# KiCad board hellen72_NB2.kicad_pcb (continued)
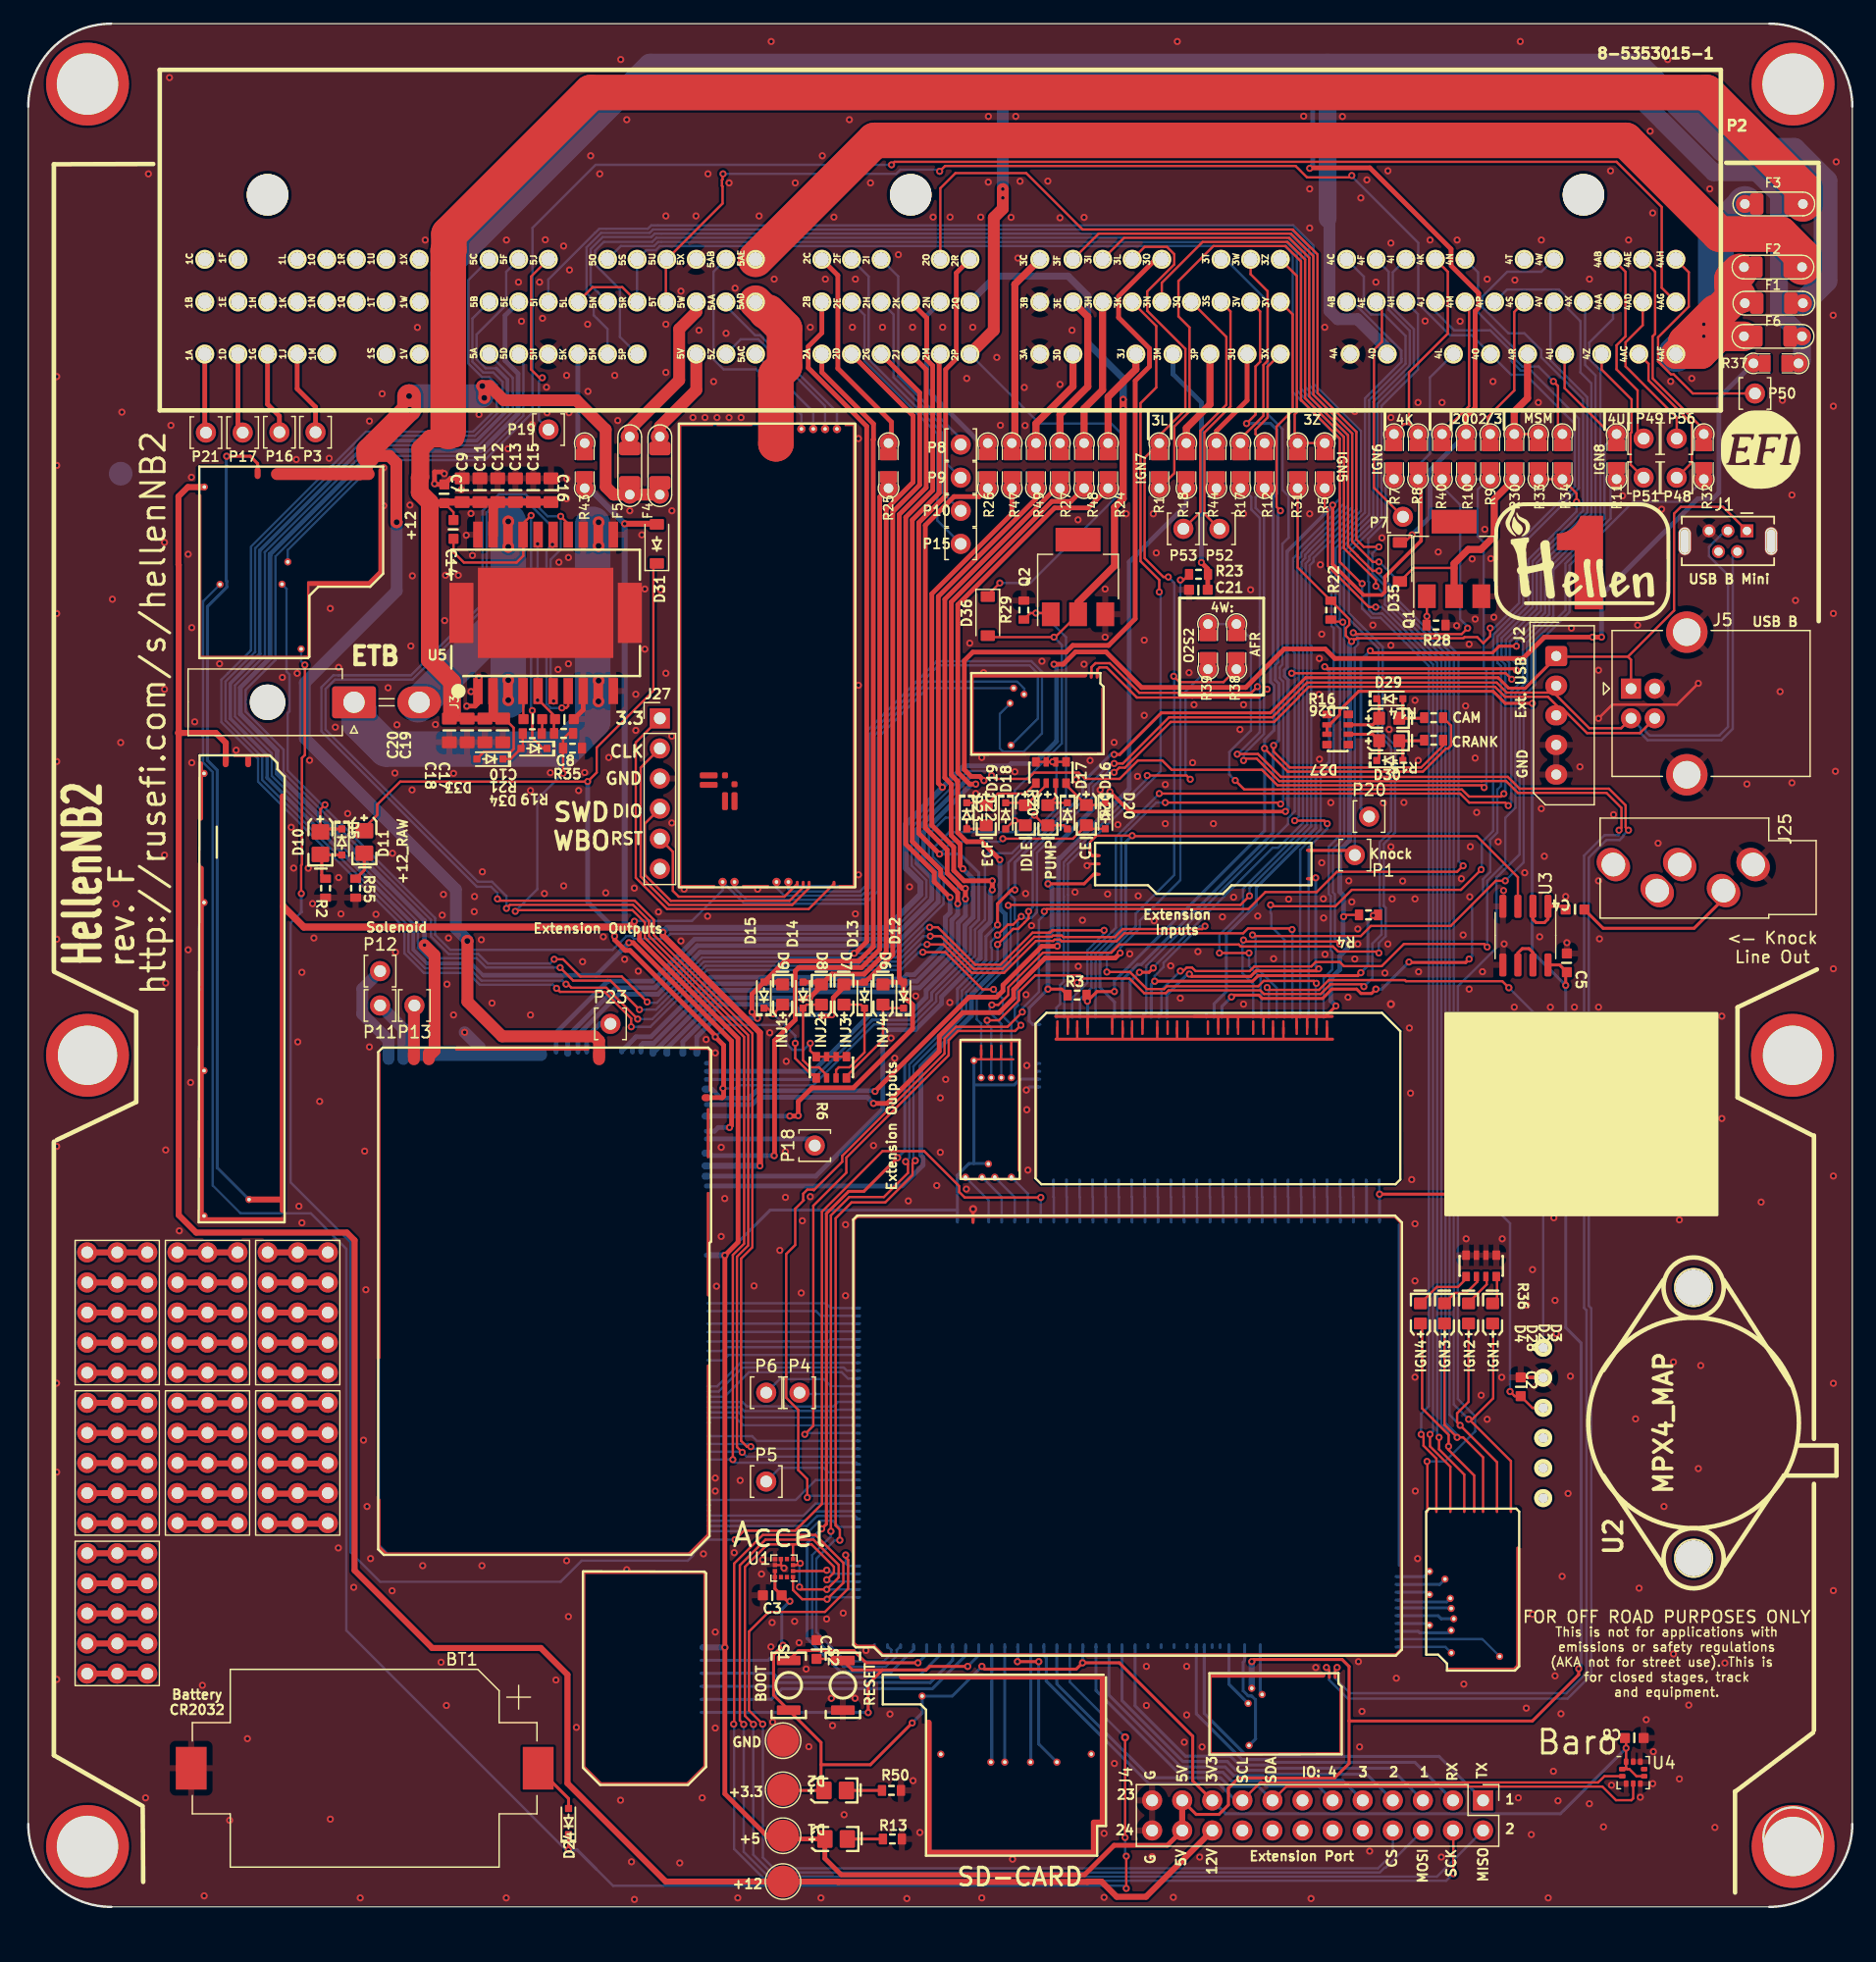
[diagram p0: board, top side]
## Footprints (pads in the part's own frame, mm; a bottom-side part is the same pattern mirrored in y, then rotated) (continued)
  oval 0.8x0.6 smd: W5(0.472,4.335)
  oval 0.4x0.2 smd far side: W15(0.272,21.694) W16(0.272,22.354) W17(0.272,23.414) W18(0.272,24.118) W19(0.272,24.918) W20(0.272,25.718) W21(0.272,26.514) W22(0.272,28.709) W23(0.272,29.149) W24(0.272,29.589) W25(0.272,30.029) W26(0.272,30.469) W27(0.272,30.909) W28(0.272,31.349) W29(0.272,31.789) W30(0.272,32.914) W31(0.272,33.574) W32(0.272,34.234) W33(0.272,34.894) W34(0.272,38.299) W35(0.272,38.739) W36(0.272,39.179) W37(0.272,39.619) W38(0.272,40.059) W39(0.272,40.499) W40(0.272,40.939)
PAD-0805-PAD
  round 1.524 hole 0.813: 1(-1.905,0) 2(1.905,0)
  rrect 1x1.45 smd: 1(-0.95,0) 2(0.95,0)
PAD-1206-PAD
  round 1.524 hole 0.813: 1(-2.45,0) 2(2.45,0)
  rrect 1.15x1.8 smd: 1(-1.45,0) 2(1.45,0)
PAD-TH
  round 1.7 hole 1: 1(0,0)
PinHeader_1x06_P2.54mm_Vertical
  rect 1.7x1.7 hole 1: 1(0,0)
  oval 1.7x1.7 hole 1: 2(0,-2.54) 3(0,-5.08) 4(0,-7.62) 5(0,-10.16) 6(0,-12.7)
PinHeader_2x12_P2.54mm_Vertical
  rect 1.7x1.7 hole 1: 1(0,0)
  oval 1.7x1.7 hole 1: 2(2.54,0) 3(0,-2.54) 4(2.54,-2.54) 5(0,-5.08) 6(2.54,-5.08) 7(0,-7.62) 8(2.54,-7.62) 9(0,-10.16) 10(2.54,-10.16) 11(0,-12.7) 12(2.54,-12.7) 13(0,-15.24) 14(2.54,-15.24) 15(0,-17.78) 16(2.54,-17.78) 17(0,-20.32) 18(2.54,-20.32) 19(0,-22.86) 20(2.54,-22.86) 21(0,-25.4) 22(2.54,-25.4) 23(0,-27.94) 24(2.54,-27.94)
power5
  oval 0.4x7.2 smd: G(0.325,3.719)
  round 0.6 hole 0.3: G(0.637,6.9) G(12.9,6.9) G(27.1,6.9) G(38,6.9) V2(2.025,3.1)
  oval 30x0.4 smd: G(15.2,7.125)
  oval 5x0.4 smd: G(36.513,7.175)
  oval 1x0.5 smd: G(39.02,3.175) V1(39.02,5.075)
  oval 0.2x3.1 smd: G(39.495,2.875)
  oval 0.5x3 smd: V2(2.025,1.717)
  oval 35.4x0.4 smd: V2(18.6,0.3)
power12
  oval 1x0.5 smd: E1(15.725,10.7)
  oval 1x8.745 smd: E2(15.64,5.197)
  oval 0.2x9.2 smd: S1(0.2,10.944)
  oval 0.2x0.5 smd: S1(0.2,6.65)
  oval 6.5x0.2 smd: S1(3.35,6.425)
  oval 0.4x5.4 smd: S1(6.4,3.775)
  oval 0.4x1.6 smd rot 45: S1(6.9,0.775)
  oval 13.8x0.2 smd: S1(7.044,15.55)
  oval 9x0.4 smd: S1(11.65,0.3)
  round 0.6 hole 0.3: V1(14.55,15.2) V2(6.325,13.875) V3(6.343,8.643) V4(8.225,8.15) V5(0.875,7.025)
PROTO_AREA
  round 1.7 hole 1: 1(0,0) 2(2.54,0) 3(5.08,0) 4(7.62,0) 5(10.16,0) 6(0,-2.54) 7(2.54,-2.54) 8(5.08,-2.54) 9(7.62,-2.54) 10(10.16,-2.54) 11(0,-5.08) 12(2.54,-5.08) 13(5.08,-5.08) 14(7.62,-5.08) 15(10.16,-5.08)
R0603
  rrect 0.7x0.92 smd: 1(-0.8,0) 2(0.8,0)
R0603-4
  rrect 0.8x0.65 smd: 1(-0.9,1.275) 4(-0.9,-1.275) 5(0.9,-1.275) 8(0.9,1.275)
  rrect 0.8x0.45 smd: 2(-0.9,0.4) 3(-0.9,-0.4) 6(0.9,-0.4) 7(0.9,0.4)
sd
  oval 0.5x11.4 smd: G(3.975,5.887)
  oval 17.4x0.4 smd: G(10.175,15.175)
  oval 14.45x0.5 smd: G(10.945,0.35)
  oval 0.5x3 smd: G(17.925,1.625)
  oval 1.2x0.5 smd: G(18.275,2.9)
  oval 0.5x12.7 smd: G(18.675,9.012)
  round 0.6 hole 0.3: V1(3.425,13.575) V2(5,8.67) V3(17.704,8.679) V4(9.225,8) V5(10.4,8) V6(12.575,8) V7(14.8,8)
SMD-2_2.9x3.9x1.7
  rrect 0.8x2 smd: 1(-2.1,0) 2(2.1,0)
SO20POWER
  rect 0.8x2.2 smd: 1(-5.715,-6.6) 2(-4.445,-6.6) 3(-3.175,-6.6) 4(-1.905,-6.6) 5(-0.635,-6.6) 6(0.635,-6.6) 7(1.905,-6.6) 8(3.175,-6.6) 9(4.445,-6.6) 10(5.715,-6.6) 11(5.715,6.6) 12(4.445,6.6) 13(3.175,6.6) 14(1.905,6.6) 15(0.635,6.6) 16(-0.635,6.6) 17(-1.905,6.6) 18(-3.175,6.6) 19(-4.445,6.6) 20(-5.715,6.6)
  rect 2.032x5.08 smd: SLUG1(-7.112,0) SLUG3(7.112,0)
  rect 11.43x7.62 smd: SLUG2(0,0)
SOD-123
  rrect 0.9x1.2 smd: 1(-1.65,0) 2(1.65,0)
SOD-323
  rrect 0.6x0.6 smd: 1(-1.1,0) 2(1.1,0)
SOIC-8_3.9x4.9mm_P1.27mm
  rrect 1.95x0.6 smd: 1(-2.475,1.905) 2(-2.475,0.635) 3(-2.475,-0.635) 4(-2.475,-1.905) 5(2.475,-1.905) 6(2.475,-0.635) 7(2.475,0.635) 8(2.475,1.905)
SOT-223
  rect 2x1.5 smd: 1(-3.15,2.3) 2(-3.15,0) 3(-3.15,-2.3)
  rect 2x3.8 smd: 4(3.15,0)
ST_HLGA-10_2.5x2.5mm_P0.6mm_LayoutBorder3x2y
  rrect 0.55x0.4 smd: 1(-0.925,0.3) 2(-0.925,-0.3) 6(0.925,-0.3) 7(0.925,0.3)
  rrect 0.4x0.55 smd: 3(-0.6,-0.925) 4(0,-0.925) 5(0.6,-0.925) 8(0.6,0.925) 9(0,0.925) 10(-0.6,0.925)
stlink
  rrect 0.2x7.49 smd: G(0.225,5.322)
  rrect 0.2x7.49 smd far side: G(0.225,5.322)
  rrect 0.2x0.8 smd far side rot 45: G(0.448,1.452)
  rrect 0.2x2.19 smd rot 135: G(0.935,9.701)
  rrect 0.2x2.19 smd far side rot 135: G(0.935,9.701)
  rrect 0.2x2.24 smd rot 45: G(0.948,0.952)
  rrect 16.55x0.2 smd: G(9.821,10.407)
  rrect 16.55x0.2 smd far side: G(9.821,10.407)
  rrect 16.46x0.2 smd: G(9.854,0.229)
  rrect 0.2x9.37 smd far side: G(18.017,5.812)
  rrect 0.2x10.37 smd: G(18.017,5.312)
  rrect 0.25x0.5 smd far side: N1(11.725,0.4) N2(10.625,0.4) N3(9.525,0.4) N4(8.425,0.4) N5(7.325,0.4) N6(6.225,0.4)
TestPoint_Pad_D2.0mm
  round 2.7 smd: 1(0,0)
TestPoint_Pad_D2.0mm#2
  round 2 smd: 1(0,0)
USB-MINI-B-VERTICAL
  rect 1.1x1.1 hole 0.7: 1(-1.6,-0.875)
  round 1.1 hole 0.7: 2(-0.8,0.875) 3(0,-0.875) 4(0.8,0.875) 5(1.6,-0.875)
  oval 1.1x2.4 hole 0.7x2: 6(-3.65,0) 6(3.65,0)
USB_B
  rect 1.7x1.7 hole 0.92: 1(-6.76,1.25)
  round 1.7 hole 0.92: 2(-6.76,-1.25) 3(-4.76,-1.25) 4(-4.76,1.25)
  round 3.5 hole 2.33: 5(-2.05,6.02) 5(-2.05,-6.02)
wbo
  round 0.7 hole 0.3: E1(38.8,1.65) E2(38.8,2.65) E3(38.8,3.65) E4(38.8,4.65) W1(0.55,11.3) W2(0.55,10.3) W3(0.55,6.75) W4(0.55,5.75)
  round 3 smd: E5(37.55,6.8)
  rect 0.25x3 smd: E6(39.175,10.3)
  rect 0.25x3.1 smd: G(0.175,13.5)
  rect 0.25x3.1 smd far side: G(0.175,13.5)
  rect 0.25x2.25 smd: G(0.175,8.525)
  rect 0.25x2.25 smd far side: G(0.175,8.525)
  rect 0.25x5.05 smd far side: G(0.175,2.575)
  rect 0.25x1.45 smd: G(0.175,0.775)
  rect 39.25x0.25 smd: G(19.675,14.925) G(19.675,0.175)
  rect 39.25x0.25 smd far side: G(19.675,14.925) G(19.675,0.175)
  rect 0.25x2.95 smd: G(39.175,13.575)
  rect 0.25x9.75 smd far side: G(39.175,10.175)
  rect 0.25x0.95 smd: G(39.175,0.525)
  rect 0.25x0.95 smd far side: G(39.175,0.525)
  rrect 0.5x1.5 smd: J1(9.55,12.475) J_GND1(8.75,12.475)
  rrect 1.5x0.5 smd: J2(7.375,10.3) J_VCC2(7.375,11.1)
  rrect 0.5x0.5 smd: J_GND2(8.8,10.3) J_VCC1(9.55,11.1)
  rrect 0.5x0.25 smd: W5(0.4,5) W6(0.4,4.5) W7(0.4,4) W8(0.4,1.9)

## Nets
+3V3: C3.2 C6.2 D2.1 J4.19 J21.1 M3.N16 M4.V1 M7.N2 S1.2 U1.9 U1.10 U4.1 U4.6 U4.10
+3V3_IGN: M2.V10 M3.W10
+5V: C5.2 D1.1 J4.21 J4.22 J20.1 M1.E2 M3.S1 M5.W14 M6.J1 M6.J2 M6.J3 M6.V1 M6.V6 M7.N1 M8.V1 M10.E1 M11.V2 M12.W1 M13.V1 R16.2 R16.3 U3.8
+5V_IGN: M2.V9 M3.W9
+5VA: C2.2 M1.E5 M1.J1 M1.J3 M1.J7 M1.J8 M1.J15 M1.J16 M1.J18 M1.J20 M1.J21 M1.J24 M1.J26 M1.N1 M3.S33 M9.E1 P2.12 P2.51 P2.53 P2.116 R3.1 R8.1 U2.3
+12V: J4.20 J19.1 M10.V1 M11.V1
+12V_ETB: C7.2 C9.1 C11.1 C12.1 C13.1 C14.1 C15.1 C16.2 C17.1 C18.1 C19.2 C20.2 D33.2 F3.2 U5.2 U5.19
+12V_PERM: M10.V4 P2.84
+12V_PROT: D11.1 D31.1 M5.W5 R6.1 R6.2 R6.3 R6.4 R20.1 R20.2 R20.3 R20.4
+12V_RAW: D35.1 D36.1 F1.2 F4.2 F5.2 M5.S11 M10.E2 P2.106 R10.2
/VBAT: D24.1 M3.N17 M10.V2
/VBUS: J1.1 J2.1 J5.1 M3.N29
/VSS: M1.N20 M3.S14
GND: BT1.2 C1.1 C2.1 C3.1 C5.1 C6.1 C7.1 C8.2 C9.2 C11.2 C12.2 C13.2 C15.2 C16.1 C17.2 C18.2 C19.1 C20.1 C21.1 J1.5 J1.6 J2.4 J2.5 J4.23 J4.24 J5.4 J5.5 J22.1 J24.1 J25.S J27.3 M1.E1 M2.G M3.S2 M4.G M4.V2 M4.V3 M5.G M5.S3 M6.G M6.J4 M7.G M8.E1 M9.E2 M10.S1 M11.G M12.E6 M12.G M13.E1 P2.14 P2.64 P2.94 P2.107 P2.114 Q1.3 Q2.3 R2.2 R13.2 R19.1 R28.2 R29.2 R36.1 R36.2 R36.3 R36.4 R50.2 R55.2 S2.2 U1.6 U1.7 U1.8 U2.2 U3.4 U3.5 U4.3 U4.5 U4.8 U4.9 U5.1 U5.8 U5.10 U5.11 U5.13 U5.20 U5.SLUG1 U5.SLUG2 U5.SLUG3
GNDA: M1.J2 M1.J4 M1.J5 M1.J6 M1.J9 M1.J11 M1.J12 M1.J13 M1.J19 M1.J22 M1.J23 M1.J25 M1.N2 M3.S32 P2.13 P2.54 P2.117 R4.2 R22.2 R31.1
/1A: P2.85 P21.1
/1D: P2.86 P17.1
/1G: P2.87 P16.1
/1J: P2.88 P3.1
/2C: P2.17 R25.2
/2E: P2.59 P15.1
/2F: P2.18 P10.1
/2H: P2.60 P9.1
/2I: P2.19 P8.1
/2N: P2.62 R26.2
/3C: P2.22 R47.2
/3D: P2.108 R49.2
/3H: P2.66 R48.2
/3J: P2.109 R24.2
/3Q: P2.69 P53.1
/3S: P2.70 P52.1
/3U: P2.112 R44.2
/3W: P2.28 R17.1
/3X: P2.113 R12.1
/3Z: P2.29 R5.2 R31.2
/4AB: P2.37 P49.1
/4AC: P2.121 P48.1
/4AD: P2.83 P56.1
/4AE: P2.38 R32.2
/4AF: F1.1 F2.2 F3.1 F6.2 P2.122
/4E: P2.74 P7.1
/4K: P2.33 R7.2 R8.2
/4M: P2.77 R40.2
/4S: P2.79 R9.2
/4Z: P2.120 P51.1
/5AE: F2.1 P2.16
/5J: P2.10 P19.1
/5K: P2.95 R43.2
/+ETB: M3.E15 M5.W32 U5.7 U5.15
/-ETB: M3.E16 M5.W31 U5.6 U5.14
/AC_RELAY: M3.E9 M5.W37
/AC_SW: M1.N8 M3.S26
/AFR: M1.N18 M3.S16
/ALTERN: M3.E19 M5.W28
/BOOT0: M3.N28 S1.1
/BRAKE: M1.N6 M3.S28
/CAM: M1.N19 M3.S15
/CAN+: M8.S2 M13.S2 R17.2
/CAN-: M8.S1 M13.S1 R12.2
/CAN_RX: M3.N2 M13.V6
/CAN_TX: M3.N3 M13.V5
/CAN_VIO: M3.N1 M13.V2
/CANIST: M3.E21 M5.W26
/CE: M3.E22 M5.W25
/CLT: M1.N16 M3.S18
/CLUTCH: M3.S4 M6.W3
/CRANK: M1.N21 M3.S13
/D3: M3.S5 M6.W2
/D4: M3.S6 M6.W1
/DIGITAL: M3.S3 M6.W4
/ECF_RELAY: M3.E28 M5.W21
/EGR_BOOST: M1.N7 M3.S27
/ETB_EN: M3.E14 M5.W33 R19.2 R35.2
/EXT_I2C_SCL: J4.17 M3.N19 U4.2
/EXT_I2C_SDA: J4.15 M3.N18 U4.4
/EXT_IO1: J4.5 M3.N12
/EXT_IO2: J4.7 M3.N13
/EXT_IO3: J4.9 M3.N14
/EXT_IO4: J4.11 M3.N15
/EXT_SPI_CS: M3.E4 U1.2
/EXT_SPI_CS2: J4.8 M3.E5
/EXT_SPI_MISO: J4.2 M3.E2 U1.3
/EXT_SPI_MOSI: J4.6 M3.E3 U1.4
/EXT_SPI_SCK: J4.4 M3.E1 U1.1
/IAT: M1.N15 M3.S19
/IDLE: M3.E18 Q2.1 R29.1
/IGN1: M2.V8 M3.W1
/IGN2: M2.V7 M3.W2
/IGN3: M2.V6 M3.W3
/IGN4: M2.V5 M3.W4
/IGN5: M2.V4 M3.W5
/IGN6: M2.V3 M3.W6
/IGN7: M2.V2 M3.W7
/IGN8: M2.V1 M3.W8
/IN_AC_PRESSURE: M1.S17 P2.31 R22.1
/IN_AFR: M1.S25 P2.25 R1.2 R38.2
/IN_BRAKE: M1.S23 P2.73
/IN_CAM: M1.S5 P2.71 R3.2 R14.1
/IN_CLT: M1.S15 P2.78
/IN_CLUTCH: M6.V3 P2.32
/IN_CRANK: M1.S8 P2.72 R15.1
/IN_D4: M6.V5 P2.8
/IN_DIGITAL: M6.V2 P2.50
/IN_EGR_BOOST: M1.S20 R32.1
/IN_IAT: M1.S16 R33.1 R34.1
/IN_KNOCK: M1.S7 M9.E3 U3.3
/IN_KNOCK_RAW: M9.W1 P1.1 R40.1
/IN_MAP1: M1.S11 P2.92 R4.1
/IN_MAP2: M1.S12 P2.119 R11.2
/IN_MAP3: M1.S19 U2.1
/IN_NEUTRAL: M6.V4 P2.75
/IN_O2S2: M1.S1 R39.2
/IN_O2S3: M1.S4 P2.82
/IN_PPS: M1.S24 P2.97
/IN_PPS2: M1.S18 P2.96
/IN_RES3: M1.S22 P2.48
/IN_SENS2: M1.S2 P2.67
/IN_SENS3: M1.S3 P2.93
/IN_STEERING: M1.S26 P2.30
/IN_TPS: M1.S10 P2.11 P2.80
/IN_TPS2: M1.S9 P2.52
/IN_VIGN: D5.1 D10.1 M10.V3 R9.1 R10.1
/IN_VSS: M1.S6 P2.27
/IN_VTCS: M1.S21 P2.76
/INJ1: M3.E25 M5.W24
/INJ2: M3.E26 M5.W23
/INJ3: M3.E29 M5.W20
/INJ4: M3.E30 M5.W19
/INJ5: M3.E31 M5.W18
/INJ6: M3.E32 M5.W17
/INJ7: M3.E33 M5.W16
/INJ8_BOOST: M3.E34 M5.W15
/IO4: M3.E23 P4.1
/IO12: M3.E13 P5.1
/IO13: M3.E24 P6.1
/KNOCK: M1.N22 M3.S12
/LOW7_HIGH1: M3.E7 M5.W39
/MAIN: M3.E6 M5.W40
/MAP1: M1.N14 M3.S20
/MAP2: M1.N13 M3.S21
/MAP3: M1.N12 M3.S22
/NRESET: C1.2 M3.N24 M7.N6 S2.1
/O2H: M3.E8 M5.W38
/O2H2: M3.E12 M5.W34
/OUT_AC_RELAY: M5.S12 P2.61
/OUT_ALT_WARNING: R44.1
/OUT_ALTERNATOR: C21.2 P2.110 R23.2
/OUT_CANIST: M5.W2 R27.2
/OUT_CHECK_ENGINE: D16.2 D20.2 M5.W3 P2.21
/OUT_ECF_RELAY: D19.2 D23.2 M5.S8 P2.58
/OUT_ETB+: J3.2 U5.3 U5.18
/OUT_ETB-: J3.1 U5.9 U5.12
/OUT_HIGH1: M5.W8 P2.9
/OUT_HIGH2: M5.S9 P23.1
/OUT_IDLE: D18.2 D22.2 D36.2 P2.63 Q2.2
/OUT_IGN1: D3.1 M2.S8 P2.23
/OUT_IGN2: D25.1 M2.S7 P2.24
/OUT_IGN3: D28.1 M2.S6 P2.20
/OUT_IGN4: D4.1 M2.S5 P2.68
/OUT_IGN5: M2.S4 R5.1
/OUT_IGN6: M2.S3 R7.1
/OUT_IGN7: M2.S2 R1.1
/OUT_IGN8: M2.S1 R11.1
/OUT_INJ1: D9.2 D15.2 M5.S18 P2.101
/OUT_INJ2: D8.2 D14.2 M5.S16 P2.102
/OUT_INJ3: D7.2 D13.2 M5.S17 P2.103
/OUT_INJ4: D6.2 D12.2 M5.W7 P2.104
/OUT_INJ5: M5.W10 R25.1
/OUT_INJ6: M5.S15 R26.1
/OUT_INJ7: M5.W12 R47.1
/OUT_INJ8_BOOST: D31.2 M5.W11 R37.1 R43.1 R49.1
/OUT_LOW7_PULLUP: M5.W9 P18.1
/OUT_MAIN_RELAY: M5.W13 R48.1
/OUT_O2H: M5.S7 R24.1
/OUT_O2H2: M5.W4 R18.1
/OUT_PUMP_RELAY: D17.2 D21.2 M5.S14 P2.105
/OUT_SOLENOID_A1: M5.S1 P12.1
/OUT_SOLENOID_A2: M5.S2 P11.1
/OUT_SOLENOID_B1: M5.S4 P13.1
/OUT_SOLENOID_B2: M5.S5 P2.49
/OUT_TACH: M5.S6 P2.26
/OUT_VVT: D35.2 Q1.2 R30.1
/PPS: M1.N5 M3.S29
/PPS2: M1.N9 M3.S25
/PRESSURE: M1.N10 M3.S24
/PUMP: M3.E20 M5.W27
/RES3: M1.N11 M3.S23
/SD_CS: M3.N23 M4.V4
/SD_MISO: M3.N21 M4.V7
/SD_MOSI: M3.N22 M4.V5
/SD_SCK: M3.N20 M4.V6
/SENS1: M1.N26 M3.S8
/SENS2: M1.N25 M3.S9
/SENS3: M1.N24 M3.S10
/SENS4: M1.N23 M3.S11
/SOLENOID_B2: M3.E17 M5.W30
/STEERING: M1.N3 M3.S31
/TACH: M3.E27 M5.W22
/TPS: M1.N17 M3.S17
/TPS2: M1.N4 M3.S30
/UART_EXT_RX: J4.3 M3.N7
/UART_EXT_TX: J4.1 M3.N6
/USB+: J1.3 J2.3 J5.3 M3.N30
/USB-: J1.2 J2.2 J5.2 M3.N31
/VIGN: M3.S7 M10.V5
/VREF2: M1.S13 M9.W2
/VVT: M3.E10 Q1.1 R28.1
/WBO_H-: M12.E5 P2.57
/WBO_Ip: M12.E3 P2.100
/WBO_R_Trim: M12.E4 P2.15
/WBO_Vs: M12.E1 P2.56
/WBO_Vs/Ip: M12.E2 P2.99
Net-(BT1-Pad1): BT1.1 D24.2
Net-(C4-Pad1): C4.1 J25.T
Net-(C4-Pad2): C4.2 U3.1 U3.2
Net-(C8-Pad1): C8.1 R35.1 U5.5 U5.16
Net-(C10-Pad1): C10.1 R21.1
Net-(C10-Pad2): C10.2 U5.4
Net-(C14-Pad2): C14.2 D34.1 U5.17
Net-(D1-Pad2): D1.2 R13.1
Net-(D2-Pad2): D2.2 R50.1
Net-(D3-Pad2): D3.2 R36.8
Net-(D4-Pad2): D4.2 R36.5
Net-(D10-Pad2): D5.2 D10.2 R2.1
Net-(D11-Pad2): D11.2 R55.1
Net-(D12-Pad1): D6.1 D12.1 R6.8
Net-(D13-Pad1): D7.1 D13.1 R6.7
Net-(D14-Pad1): D8.1 D14.1 R6.6
Net-(D15-Pad1): D9.1 D15.1 R6.5
Net-(D16-Pad1): D16.1 D20.1 R20.8
Net-(D17-Pad1): D17.1 D21.1 R20.7
Net-(D18-Pad1): D18.1 D22.1 R20.6
Net-(D19-Pad1): D19.1 D23.1 R20.5
Net-(D25-Pad2): D25.2 R36.7
Net-(D26-Pad1): D26.1 D29.1 R16.7
Net-(D26-Pad2): D26.2 D29.2 R14.2
Net-(D27-Pad1): D27.1 D30.1 R16.6
Net-(D27-Pad2): D27.2 D30.2 R15.2
Net-(D28-Pad2): D28.2 R36.6
Net-(D33-Pad1): D33.1 D34.2 R21.2
Net-(F4-Pad1): F4.1 P2.98
Net-(F5-Pad1): F5.1 P2.55
Net-(F6-Pad1): F6.1 P2.115 R37.2
Net-(G4-Pad1): G4.1 G4.6 G4.11
Net-(G4-Pad10): G4.5 G4.10 G4.15
Net-(G4-Pad12): G4.2 G4.7 G4.12
Net-(G4-Pad13): G4.3 G4.8 G4.13
Net-(G4-Pad14): G4.4 G4.9 G4.14
Net-(G5-Pad1): G5.1 G5.6 G5.11
Net-(G5-Pad10): G5.5 G5.10 G5.15
Net-(G5-Pad12): G5.2 G5.7 G5.12
Net-(G5-Pad13): G5.3 G5.8 G5.13
Net-(G5-Pad14): G5.4 G5.9 G5.14
Net-(G6-Pad1): G6.1 G6.6 G6.11
Net-(G6-Pad10): G6.5 G6.10 G6.15
Net-(G6-Pad12): G6.2 G6.7 G6.12
Net-(G6-Pad13): G6.3 G6.8 G6.13
Net-(G6-Pad14): G6.4 G6.9 G6.14
Net-(G7-Pad1): G7.1 G7.6 G7.11
Net-(G7-Pad10): G7.5 G7.10 G7.15
Net-(G7-Pad12): G7.2 G7.7 G7.12
Net-(G7-Pad13): G7.3 G7.8 G7.13
Net-(G7-Pad14): G7.4 G7.9 G7.14
Net-(G9-Pad1): G9.1 G9.6 G9.11
Net-(G9-Pad10): G9.5 G9.10 G9.15
Net-(G9-Pad12): G9.2 G9.7 G9.12
Net-(G9-Pad13): G9.3 G9.8 G9.13
Net-(G9-Pad14): G9.4 G9.9 G9.14
Net-(G11-Pad1): G11.1 G11.6 G11.11
Net-(G11-Pad10): G11.5 G11.10 G11.15
Net-(G11-Pad12): G11.2 G11.7 G11.12
Net-(G11-Pad13): G11.3 G11.8 G11.13
Net-(G11-Pad14): G11.4 G11.9 G11.14
Net-(G12-Pad1): G12.1 G12.6 G12.11
Net-(G12-Pad10): G12.5 G12.10 G12.15
Net-(G12-Pad12): G12.2 G12.7 G12.12
Net-(G12-Pad13): G12.3 G12.8 G12.13
Net-(G12-Pad14): G12.4 G12.9 G12.14
Net-(J27-Pad1): J27.1 M12.W8
Net-(J27-Pad2): J27.2 M12.W7
Net-(J27-Pad4): J27.4 M12.W6
Net-(J27-Pad5): J27.5 M12.W5
Net-(M3-PadN25): M3.N25 M7.N5
Net-(M3-PadN26): M3.N26 M7.N4
Net-(M3-PadN27): M3.N27 M7.N3
Net-(M5-PadW6): M5.W6 R23.1
Net-(M12-PadW2): M8.V2 M12.W2
Net-(M12-PadW3): M8.V6 M12.W3
Net-(M12-PadW4): M8.V5 M12.W4
Net-(P2-Pad34): P2.34 R34.2
Net-(P2-Pad36): P2.36 R38.1 R39.1
Net-(P2-Pad39): P2.39 P50.1
Net-(P2-Pad65): P2.65 R27.1
Net-(P2-Pad81): P2.81 P20.1
Net-(P2-Pad111): P2.111 R18.2
Net-(P2-Pad118): P2.118 R30.2 R33.2
Net-(U3-Pad6): U3.6 U3.7

Pads without a net: J1 4; J4 10 12 13 14 16 18; J11 1; J13 1; J14 1; J15 1; J16 1; J17 1; J25 R RN TN; J27 6; M1 E3 E4 J10 J14 J17 S14; M3 E11 N4 N5 N8 N9 N10 N11 N32; M5 S10 S13 W1 W29 W35 W36; M12 J1 J2 J_GND1 J_GND2 J_VCC1 J_VCC2; P2 1 2 3 4 5 6 7 35 40 41 42 43 44 45 46 47 89 90 91; Q1 4; Q2 4; R16 1 4 5 8; U1 5 11 12; U2 4 5 6; U4 7

## Via types
v1: diameter 0.6, hole 0.3, Top to Bottom, 744 vias
v2: diameter 0.61, hole 0.305, Top to Bottom, 69 vias
v3: diameter 0.686, hole 0.33, Top to Bottom, 3 vias
v4: diameter 1, hole 0.5, Top to Bottom, 14 vias

## Routing (per net, layer and track width the routed paths; a pad name or vN(x,y) marks a point on that pad's centre or on a via; arc(x,y) is an arc through that point)
+3V3: length 121.4
  Top w0.2: 135.03,11.63 135.18,11.63 135.78,11.03 U4.6 ; 135.03,11.63 134.58,11.63 ; 135.03,11.63 134.9,11.76 U4.10 v1(134.9,13.41) 134.9,14.16 C6.2 ; U1.9 U1.10
  Top w0.254: J4.19 98.31,10.64 98.31,14.41 92.11,20.61 v2(89.01,20.61) 88.48,20.07 80.74,20.07 v2(80.51,20.31) ; 66.93,12.01 71.1,12.01 v1(74.63,15.53) ; 66.93,12.01 66.93,9.31 ; 66.93,12.01 66.93,13.88 62.93,17.88 62.93,21.28 v2(63.73,22.08) ; U1.10 63.04,26.87 C3.2 64.1,25.81 v1(64.3,25.81) ; D2.1 63.73,9.83
  Bottom w0.254: v2(89.01,20.61) 89.04,20.64 M3.N16 ; v1(74.63,15.53) 75.47,16.37 M4.V1 78,17.8 v2(80.51,20.31) ; v1(134.9,13.41) 129.36,7.86 101.09,7.86 J4.19 ; M7.N2 62.47,20.82 v2(63.73,22.08) 63.61,22.19 63.61,25.12 v1(64.3,25.81)
+3V3_IGN: length 4.8
  Bottom w0.203: M3.W10 119.65,21.94 M2.V10
+5V: length 485
  Top w0.2: 81.33,71.58 81.33,72.31 ; M6.J1 80.45,71.61 ; 82.13,71.61 M6.J3
  Top w0.254: M10.E1 19.36,121.86 18.74,122.48 v2(16.75,122.48) ; 111.51,15.69 111.51,20.3 110.93,20.89 103.48,20.89 v2(103.3,20.71) ; 111.51,15.69 111.51,12.11 110.29,10.88 102.19,10.88 101.33,10.02 101.33,8.61 100.52,7.81 98.61,7.81 J4.21 ; 111.51,15.69 126.99,15.69 130.9,19.61 v1(130.9,20.11) ; R16.3 R16.2 109.85,99.81 110.73,100.68 110.73,101.03 112.33,102.63 123.68,102.63 124.7,101.62 v1(126.98,101.62) ; U3.8 129.29,79.53 C5.2 129.8,78.82 v1(129.8,77.81)
  Top w0.4: J4.22 96.17,5.2 91.67,5.2 89.18,2.71 68.64,2.71 67.26,4.09 D1.1 62.63,5.73 58.81,9.54 v2(58.81,21.91) v2(58.81,55.01) 59.93,56.12 59.93,73.33 51.6,81.65 51.6,82.2 51.17,82.63 v2(51.17,83.21) 50.69,82.73
  Top w0.508: J4.22 J4.21
  Top w0.6: 21.53,84.47 23.26,82.73 50.69,82.73
  Bottom w0.2: 83.22,102.9 75.91,102.9 71.74,98.72 71.74,85.76 70.66,84.69 60.47,84.69 M12.W1 58.62,85.84 56.04,83.26 51.22,83.26 v2(51.17,83.21)
  Bottom w0.254: v2(16.75,122.48) 16.73,122.46 16.73,111.97 16.76,111.94 16.76,111.42 15.13,109.78 15.13,96.79 15.95,95.97 15.95,62.41 M11.V2 ; v1(130.9,20.11) 131.1,20.31 131.1,47.61 129.8,48.91 v1(129.8,77.81) 126.98,80.63 126.98,101.61 v1(126.98,101.62) ; M1.E2 83.74,69.89 83.25,69.41 79.84,69.41 ; 78.44,58.84 78.44,61.78 79.43,62.76 81.03,62.76 M6.V1 ; 78.44,58.84 M3.S1 ; 78.44,58.84 62.64,58.84 v2(58.81,55.01) ; 79.84,62.76 M6.V6
  Bottom w0.508: M13.V1 103.29,20.39 103.3,20.39 v2(103.3,20.71) ; v2(58.81,21.91) 56.94,21.91 M7.N1 ; M5.W14 58.8,55.02 v2(58.81,55.01)
+5V_IGN: length 9.2
  Bottom w0.203: M3.W9 122.77,22.6 M2.V9
+5VA: length 238.6
  Top w0.2: M1.J16 96.99,73.28 ; M1.J8 105.09,73.28 ; M1.J21 92.39,73.28 ; P2.51 47.65,136.76 50.15,136.76 P2.53 ; M1.J20 93.19,73.28 ; M1.J24 88.56,73.28 ; 86.88,74.24 86.88,73.28 ; M1.J15 97.87,73.28 ; M1.J18 95.32,73.28 ; M1.J7 105.97,73.28 ; M1.J3 109.64,73.28 M1.J3
  Top w0.203: U2.3 126.99,42.13 C2.2 125.49,43.12 v2(125.1,43.51)
  Top w0.254: v2(114.08,60.18) 122.57,60.18 v2(122.6,60.21) ; v2(86.09,86.38) 89.14,86.38 89.94,87.18 M9.E1 ; v2(86.09,77.49) 87.24,77.49 87.73,77.01
  Top w0.3: v1(106.14,92.49) 106.13,92.47 93,92.47 v1(91.32,94.15) ; v1(110.12,118.35) 110.12,113.37 112.73,110.76 114.28,110.76 114.54,111.02 114.54,112.29 117.59,115.34 117.59,120.28 R8.1
  Bottom w0.2: P2.116 118.34,129.13 118.34,122.69 117.33,121.68 R8.1 ; v1(110.12,118.35) 110.19,118.35 110.73,118.89 110.73,123.91 106.75,127.89 106.75,139.54 106.07,140.23 53.32,140.23 52.97,139.88 52.17,139.88 P2.12 P2.53 ; v2(114.08,60.18) 114.06,60.2 M1.N1
  Bottom w0.203: v2(125.1,43.51) 125.1,57.71 v2(122.6,60.21)
  Bottom w0.254: v2(86.09,77.49) 84.5,75.9 84.5,74.81 84.8,74.51 M1.E5 ; M3.S33 v2(114.08,60.18)
  Bottom w0.3: v1(110.12,118.35) 110.12,118.29 106.28,114.44 106.28,104.62 106.06,104.41 106.06,103.91 106.36,103.62 106.36,92.7 v1(106.14,92.49)
  Bottom w0.4: v1(91.32,94.15) 91.32,94.15 86.09,88.92 v2(86.09,86.38) 86.43,86.04 86.43,82.41 86.09,82.07 v2(86.09,77.49)
+12V: length 204.4
  Top w0.508: 14.88,119.88 13.47,119.88 12.68,119.09 12.68,113.33 12.7,113.31 12.7,58.4 14.18,56.93 26.9,56.93 27.55,56.28 27.55,28.41 34.1,21.86 43.28,21.86 45.52,19.61 45.52,10.43 53.82,2.14 68.36,2.14 68.39,2.11 89.43,2.11 89.46,2.14 90.61,2.14 91.9,0.85 94.37,0.85 J4.20 ; 12.63,99.12 15.84,99.12 16.67,98.28 16.67,96.63
+12V_ETB: length 195.8
  Top w0.2: D33.2 38.46,97.51 40.72,97.51 40.98,97.76 40.98,99.56 40.2,100.33 C17.1 ; C14.1 35.9,117.75 C7.2
  Top w0.4: 33.95,118.52 33.9,118.58 ; 35.22,118.61 C7.2
  Top w0.5: C17.1 C20.2
  Top w0.6: C7.2 33.95,118.52 ; 39.26,100.5 39.43,100.33 ; C16.2 35.22,118.61
  Top w0.8: 39.26,102.65 39.26,100.5 ; 39.26,115.85 39.26,118.46 ; 39.24,118.22 C12.1
  Top w1.5: 36.05,123.97 33.95,123.97 33.1,123.12 33.1,120.72 33.05,120.67 33.05,119.42 33.9,118.58 33.9,105.31 35.78,103.43 35.78,100.93
  Top w3: 35.45,124.57 35.45,139.85 35.51,139.91 35.51,141.21 47.49,153.19 141.7,153.19 149.83,145.07 F3.2
+12V_PERM: length 149.8
  Top w0.2: v1(72.88,147.08) 73.14,147.34 134.1,147.34 137.91,143.53 137.91,136.7 P2.84
  Bottom w0.2: v1(72.88,147.08) 47.9,147.08 42.56,141.75 42.56,126.17 38.55,122.16 29.5,122.16 21.91,114.57 M10.V4
+12V_PROT: length 138.5
  Top w0.2: D31.1 52.78,113.14 52.78,102.67 47.99,97.88 47.99,95.78 v1(47.23,95.01) 47.22,95.01 31.4,95.01 29.46,93.07 29.46,92.19 28.38,91.1 D11.1 ; 69.08,72.04 68.82,71.78 R6.4 66.02,72.29 v1(66.02,72.92) ; 85.07,96.68 v1(86.48,96.68) R20.1
  Top w0.4: v1(49.5,81.96) 49.5,81.66 50.4,80.75 50.8,80.75 58,73.56 v1(58,73.46) 58.71,72.75 58.71,68.43 58.6,68.32 M5.W5
  Bottom w0.2: v1(58.65,69.11) 59.67,69.11 59.93,69.36 66.28,69.36 71.42,74.5 74.72,74.5 76.65,76.44 76.65,77.02 79.93,80.3 79.93,82.51 80.77,83.35 80.77,88.68 81.05,88.96 83.05,88.96 86.8,92.71 86.8,96.36 v1(86.48,96.68) ; v1(58,73.46) 59,74.46 63.36,74.46 64,73.81 64,72.89 64.53,72.37 65.47,72.37 v1(66.02,72.92)
  Bottom w0.4: v1(49.5,81.96) 49.5,82.58 47.23,84.85 v1(47.23,95.01)
+12V_RAW: length 376.1
  Top w0.2: v1(116.82,115.84) 116.19,115.21 D35.1 ; v1(82.03,111.78) 81.01,110.76 D36.1
  Top w0.4: 120.13,138.7 120.13,139.97 113.27,146.83 108.23,146.83 v1(108.19,146.79) ; 120.13,138.57 122.45,136.25 122.45,135.03 122.16,134.74 122.16,126.59 121.4,125.82 R10.2
  Top w1: M5.S11 48.19,73.12 47.81,73.5 40.01,73.5 37.08,76.43 37.08,81.54 v4(37.07,81.55) ; v1(82.28,145.03) 82.28,143.38 81.52,142.62 81.52,133.12 P2.106 ; M10.E2 28.02,120.97 28.58,121.53 28.58,122.5 30.48,122.5 31.08,121.91 31.08,116.94 v4(31.1,116.91) ; v4(38.5,127.41) 38.5,128.24 v4(38.33,128.41) 38.95,128.41 40.15,127.2 46.28,127.2 48.75,124.73 48.75,119.91 49.42,119.23 F5.2 F4.2
  Top w2: v4(32.15,127.56) 32.15,126.42 28.7,122.97 28.7,122.5
  Bottom w0.2: 118.35,119.91 118.34,119.91 118.34,121.3 ; v1(82.03,111.78) 84.6,111.78 92.44,119.62 92.44,124.22 91.42,125.24 85.37,125.24 P2.106
  Bottom w0.4: 118.35,119.91 118.35,117.37 v1(116.82,115.84) ; 109.71,155.47 108.44,154.2 108.44,147.04 v1(108.19,146.79) ; R10.2 118.34,121.3
  Bottom w1: v4(31.1,116.91) 31.1,111.11 23.35,103.36 23.35,98.66 36.1,85.91 36.1,82.59 37.07,81.63 v4(37.07,81.55) ; v1(82.28,144.29) 82.28,145.03 v1(82.28,145.03) 82.28,145.04 82.28,155.47
  Bottom w2: 34.95,127.86 34.95,137.91 52.5,155.47 135.96,155.47 143.07,148.35 149.08,148.35 151.74,145.7 151.74,137.31 F1.2 ; v4(32.2,126.41) 32.15,126.46 v4(32.15,127.56) 38.3,127.56
/VBAT: length 196
  Top w0.2: v3(92.6,14.31) v1(92.6,5.86) ; v1(92.7,1.56) v1(92.7,4.28)
  Top w0.254: D24.1 45.61,4.82 v1(45.6,4.81)
  Bottom w0.2: v1(92.7,4.28) 92.6,4.38 v1(92.6,5.86) ; v1(92.7,1.56) 92.48,1.78 49.37,1.78 47.94,3.21 ; v3(92.6,14.31) 87.94,18.97 M3.N17 ; M10.V2 14.75,110.22 14.75,96.63 15.58,95.81 15.58,60.91 17.93,58.56 23.85,58.56 26.85,55.56 26.85,23.34 45.56,4.63
  Bottom w0.254: 47.94,3.21 46.34,4.81 v1(45.6,4.81)
/VBUS: length 168.9
  Top w0.2: 135.06,105.56 138.95,109.45 138.95,117.63 139.53,118.21 143.08,118.21 J1.1 ; 135.06,105.56 135.32,105.3 J5.1 ; 135.06,105.56 129.05,105.56
  Top w0.254: v2(73.39,63.25) 70.55,60.41 69.26,60.41 67.39,58.54 67.39,32.32 v2(66.98,31.92) ; v2(83.3,85.87) 83.01,85.87 81.83,84.69 v2(81.83,82.91) ; v1(91.68,97.3) 92.15,97.3 95.66,100.81 104.87,100.81 107.84,103.78 124.1,103.78 124.98,102.9 126.4,102.9 129.05,105.56
  Bottom w0.254: v2(73.39,63.25) 74,63.86 74,71.28 78.45,75.72 78.45,77.51 80.85,79.91 80.85,81.93 v2(81.83,82.91) ; M3.N29 74.74,21.74 72.86,19.85 68.57,19.85 65.76,22.66 65.76,30.69 v2(66.98,31.92) ; v1(91.68,97.3) 91.39,97.3 89.03,94.94 89.03,93.92 83.3,88.18 v2(83.3,85.87)
/VSS: length 3.3
  Bottom w0.2: M1.N20 93.16,59.95 93.18,59.92 M3.S14
GND: length 38.9
  Top w0.2: v1(89.39,87.92) 89.53,88.06 M9.E2 ; U1.8 63.55,28.86 ; 63.55,28.86 U1.6 ; 63.55,28.86 v1(63.8,28.61) ; v1(141,103.31) 139.2,101.5 133.73,101.5 v1(132.57,100.35) ; M6.J4 83,73.06
  Top w0.254: v3(79.77,58.91) 79.76,58.9 M3.S2
  Top w0.3: C2.1 127.87,44.7 U2.2
  Top w0.4: C9.2 35.64,120.61 C7.1 34.36,120.1 v1(34.3,120.16) 34.3,121.16 34.98,121.16 v1(35.13,121.01) ; C8.2 46.85,101.08 U5.8 ; v1(37.03,101.38) 37.73,101.38 37.96,101.62 U5.1
  Bottom w0.2: v1(141,103.31) 139.2,101.5 133.73,101.5 v1(132.57,100.35)
  Bottom w0.254: v3(79.77,58.91) 79.76,58.9 M3.S2 ; v2(84.26,68.97) 84.52,69.23 M1.E1
  Bottom w1: M5.S3 38.11,72.57 v2(36.84,73.84)
  vias: v1(2.4,129.21) v1(2.4,121.71) v1(2.4,109.21) v1(2.4,96.71) v1(2.4,81.71) v1(2.4,64.21) v1(2.39,44.22) v1(2.4,36.71) v1(2.4,19.21) v1(7.1,110.41) v1(7.4,84.71) v1(7.8,98.31) v1(7.9,126.21) v1(9.9,9.21) v1(10.14,146.32) v1(11.5,115.21) v1(11.5,102.81) v1(11.5,88.81) v1(11.6,78.01) v1(11.6,63.91) v1(11.92,154.45) v1(12.04,125.08) v1(12.75,57.08) v1(13.5,114.21) v1(13.5,80.81) v1(13.7,69.61) v1(13.78,120.71) v1(13.8,108.01) v1(13.8,96.61) v1(14.05,100.06) v1(14.7,18.71) v1(14.85,0.93) v1(16.15,104.96) v1(17,7.31) v1(17.55,97.66) v1(18.5,14.21) v1(21.45,103.81) v1(22.2,91.16) v1(22.4,87.71) v1(22.63,122.21) v1(22.7,104.16) v1(22.75,73.03) v1(22.85,59.16) v1(23.1,78.91) v1(23.1,57.76) v1(23.64,87.7) v1(23.75,96.81) v1(24,84.71) v1(24.11,81.81) v1(24.6,68.01) v1(25.4,122.31) v1(25.5,109.63) v1(25.5,7.41) v1(25.93,99.61) v1(26.2,104.66) v1(26.2,86.91) v1(26.18,30.31) v1(26.4,83.84) v1(26.96,92.31) v1(27.48,26.98) v1(28.03,0.76) v1(28.3,39.41) v1(28.4,63.81) v1(28.5,52.11) v1(28.6,33.81) v1(28.8,125.45) v1(28.8,72.61) v1(28.9,29.41) v1(29.35,83.81) v1(29.88,127.76) v1(30,121.51) v1(30,118.31) v1(30.38,102.93) v1(30.72,26.69) v1(30.75,88.96) v1(30.95,95.73) v1(31,80.61) v1(31.13,99.81) v1(32.23,118.36) v1(32.3,106.46) v1(32.43,112.38) v1(32.4,94.31) v1(32.85,133.36) v1(33.3,28.81) v1(33.51,140.73) v1(34.38,99.83) v1(34.95,83.73) v1(34.85,20.66) v1(35.05,85.48) v1(35.15,108.61) v1(35.23,112.43) v1(35.3,17.01) v1(35.35,77.91) v1(35.48,81.81) v1(35.9,95.7) v1(35.9,75.31) v1(36.3,112.43) v1(36.56,119.65) v1(36.98,115.81) v1(37.38,117.65) v1(37.38,102.61) v1(37.5,114.11) v1(37.68,85.31) v1(37.65,84.03) v1(38.05,126.01) v1(38.05,103.81) v1(38.34,87.39) v1(38.25,81.66) v1(38.3,28.81) v1(39.15,76.31) v1(40.37,140.73) v1(40.35,0.76) v1(40.5,123.11) v1(41.39,137.18) v1(41.64,133.88) v1(42.4,94.25) v1(42.4,75.31) v1(42.55,125.16) v1(43.16,137.18) v1(43.42,134.13) v1(43.58,85.56) v1(43.65,140.76) v1(43.75,128.31) v1(43.8,126.16) v1(44.08,95.76) v1(44.55,19.16) v1(44.73,104.48) v1(44.8,113.53) v1(45.2,140.23) v1(45.2,86.21) v1(45.45,129.3) v1(45.45,118.89) v1(45.45,29.23) v1(45.48,120.58) v1(45.6,113.93) v1(45.6,104.96) v1(45.6,24.51) v1(45.69,138.21) v1(45.65,126.16) v1(46.28,15.16) v1(46.47,94.25) v1(46.8,79.81) v1(46.97,95.78) v1(47.23,133.62) v1(47.25,127.96) v1(47.48,147.85) v1(48.24,146.32) v1(48.55,81.91) v1(48.75,85.62) v1(49.01,97.05) v1(49.51,129.3) v1(49.77,125.49) v1(50.02,155.97) v1(50,9.01) v1(50.35,80.01) v1(50.53,150.89) v1(50.53,28.47) v1(50.78,117.87) v1(50.93,3.81) v1(51.17,86.02) v1(51.18,0.63) v1(51.29,102.38) v1(51.29,99.33) v1(51.5,79.01) v1(51.8,115.84) v1(52.05,111.27) v1(52.05,106.19) v1(53.2,84.01) v1(53.38,111.21) v1(53.83,142.77) v1(53.83,133.62) v1(53.83,129.56) v1(53.83,104.16) v1(54.34,117.87) v1(54.33,98.84) v1(54.33,91.52) v1(55,3.71) v1(55.1,136.42) v1(55.1,81.55) v1(55.37,85.93) v1(56.12,125.75) v1(56.37,142.77) v1(56.63,133.11) v1(56.9,9.21) v1(57,29.81) v1(57.13,125.75) v1(57.39,146.32) v1(57.35,83.65) v1(57.86,128.78) v1(58,36.21) v1(58,35.11) v1(58,23.21) v1(58,15.11) v1(58.15,125.75) v1(58.1,52.41) v1(58.5,56.61) v1(58.8,59.81) v1(58.91,132.86) v1(59.17,145.56) v1(59.17,125.75) v1(59.6,29.91) v1(59.67,136.67) v1(59.9,0.76) v1(60.1,36.01) v1(60.18,125.75) v1(61.28,52.43) v1(61.58,85.92) v1(61.71,142.77) v1(62.6,73.81) v1(62.72,157.5) v1(62.7,21.96) v1(62.8,24.01) v1(62.85,15.6) v1(62.98,137.43) v1(63.45,55.43) v1(63.93,59.91) v1(63.99,71.39) v1(64.7,24.11) v1(64.75,145.56) v1(65.08,22.31) v1(65.26,51.83) v1(65.35,57.93) v1(65.68,20.08) v1(65.9,13.53) v1(66.02,133.37) v1(66.02,59.96) v1(66.93,0.76) v1(67.04,147.85) v1(67.29,137.43) v1(67.4,24.31) v1(67.9,15.31) v1(68.02,142.67) v1(68.8,24.81) v1(68.88,7.78) v1(69,57.61) v1(69,51.61) v1(69.33,150.89) v1(69.58,133.37) v1(69.83,137.43) v1(69.83,83.84) v1(70.09,123.97) v1(70.09,103.14) v1(70.09,87.14) v1(71.1,145.56) v1(71.36,64.28) v1(72.12,133.37) v1(72.75,16.28) v1(72.84,73.36) v1(73.15,71.66) v1(73.46,139.5) v1(74.18,0.71) v1(74.3,59.61) v1(74.41,86.12) v1(74.66,133.37) v1(74.7,10.66) v1(74.92,76.91) v1(76.39,142.67) v1(76.7,60.91) v1(77,68.31) v1(77,63.71) v1(77.2,133.37) v1(77.45,69.87) v1(77.82,142.67) v1(77.8,76.36) v1(79.23,129.05) v1(79.2,60.61) v1(79.49,106.7) v1(79.74,133.37) v1(79.99,94) v1(80.41,142.67) v1(80.5,97.05) v1(80.5,0.76) v1(80.66,104.2) v1(81.05,145.62) v1(81.06,151.17) v1(81.77,130.83) v1(82.08,125.09) v1(82.98,142.64) v1(83.3,95.84) v1(83.37,151.17) v1(83.55,139.21) v1(83.74,145.7) v1(84.1,128.29) v1(84.16,125.07) v1(84.2,85.55) v1(84.24,77.02) v1(84.4,62.21) v1(84.7,82.85) v1(85.58,105.17) v1(86.08,145.71) v1(87.1,142.61) v1(87.11,128.54) v1(88.12,133.11) v1(88.45,95.17) v1(88.38,85.68) v1(88.55,78.04) v1(88.63,117.11) v1(88.65,79.41) v1(89,83.31) v1(89.14,142.64) v1(89.14,104.92) v1(89.65,96.79) v1(90.49,94.31) v1(90.83,6.21) v1(90.83,0.81) v1(90.92,111.27) v1(90.92,107.21) v1(91.13,85.52) v1(91.68,98.32) v1(91.7,12.11) v1(91.99,91.37) v1(92.69,117.62) v1(93,80.47) v1(93.65,95.45) v1(93.71,85.36) v1(94.22,106.95) v1(94.22,100.6) v1(94.4,20.31) v1(94.4,17.01) v1(94.98,117.62) v1(95.05,83.26) v1(95.23,114.32) v1(96,94.76) v1(96,91.46) v1(96.45,79.46) v1(96.68,0.81) v1(97.01,157.5) v1(97.27,76.73) v1(97.6,13.91) v1(97.8,20.31) v1(97.8,16.21) v1(98,104.21) v1(98.3,96.61) v1(98.42,101.5) v1(98.75,80.66) v1(98.9,4.21) v1(99.1,13.51) v1(100.06,91.46) v1(100.82,83.58) v1(101.76,85.25) v1(102.3,99.41) v1(102.6,117.62) v1(102.6,101.5) v1(102.6,76.22) v1(103.2,111.21) v1(103.8,83.66) v1(105.14,80.06) v1(106.41,85.08) v1(107.68,151.19) v1(108.19,145.05) v1(108.19,141.75) v1(108.19,117.62) v1(108.3,0.71) v1(108.7,20.21) v1(109,105.41) v1(108.98,102.36) v1(109.02,96.9) v1(109.09,113.32) v1(109.2,107.46) v1(109.2,88.16) v1(109.34,85.12) v1(109.36,83.49) v1(109.46,133.37) v1(109.48,80.42) v1(109.97,93.24) v1(110.95,151.16) v1(111.42,76.8) v1(111.49,86.63) v1(111.74,84.85) v1(112,126.26) v1(112,80.03) v1(112.25,82.57) v1(112.25,81.3) v1(112.3,20.71) v1(112.4,13.51) v1(112.51,144.29) v1(112.6,16.51) v1(113.01,145.81) v1(113.25,4.71) v1(113.52,108.22) v1(113.78,137.18) v1(114.28,115.59) v1(114.4,93.21) v1(114.54,78.85) v1(114.79,146.58) v1(114.79,81.3) v1(114.9,99.41) v1(115.05,140.48) v1(115.05,125.75) v1(115.05,106.51) v1(115.05,89.51) v1(115.15,85.11) v1(115.5,19.31) v1(116.04,86.61) v1(116.14,93.25) v1(116.6,74.21) v1(116.7,68.71) v1(116.8,61.41) v1(117.08,101.87) v1(117.08,85.11) v1(117.08,57.68) v1(117.08,52.85) v1(117.08,44.72) v1(117.1,35.11) v1(117.33,127.02) v1(117.35,96.8) v1(117.3,29.41) v1(117.38,78.95) v1(117.93,133.9) v1(118.35,140.73) v1(119.04,114.4) v1(119.3,4.21) v1(119.36,127.02) v1(120.63,140.73) v1(120.6,108.17) v1(120.89,133.88) v1(120.99,86.81) v1(121.14,82.06) v1(121.2,18.81) v1(121.35,101.4) v1(121.4,56.41) v1(121.5,64.61) v1(121.65,106.61) v1(121.65,77.49) v1(121.6,71.31) v1(121.56,61.18) v1(121.75,89.51) v1(121.7,85.28) v1(121.9,113.81) v1(122.16,108.73) v1(122.16,97) v1(122.29,92.41) v1(122.67,43.2) v1(122.78,78.96) v1(122.97,116.31) v1(123.17,137.43) v1(123.17,41.17) v1(123.48,113.84) v1(123.66,128.79) v1(123.74,108.89) v1(124.1,89.93) v1(124.44,56.41) v1(124.55,85.81) v1(124.6,81.31) v1(125.51,137.36) v1(125.46,75.96) v1(125.8,9.21) v1(125.97,157.5) v1(126.34,87.31) v1(126.5,50.81) v1(126.48,16.78) v1(126.9,6.11) v1(127,53.81) v1(127,24.71) v1(127.49,127.02) v1(127.6,81.91) v1(127.75,140.73) v1(127.75,92.73) v1(128,88.71) v1(128.33,0.76) v1(128.51,75.96) v1(128.8,58.18) v1(128.76,11.45) v1(128.9,66.51) v1(128.9,51.21) v1(128.9,19.51) v1(129,48.41) v1(129.15,8.96) v1(129.4,16.31) v1(129.5,27.91) v1(129.8,85.31) v1(129.9,81.41) v1(130,34.91) v1(130.2,44.81) v1(130.29,107.97) v1(130.54,75.96) v1(131,96.26) v1(131.81,137.43) v1(131.8,8.71) v1(132.57,104.41) v1(132.57,86.63) v1(132.57,75.96) v1(132.65,81.73) v1(132.99,6.76) v1(133.59,146.58) v1(133.67,10.27) v1(133.84,92.22) v1(134.6,119.14) v1(135.11,140.73) v1(135.7,41.21) v1(135.87,108.22) v1(136,26.91) v1(136.1,9.26) v1(136.6,15.81) v1(136.93,149.92) v1(137.14,143.02) v1(137.15,10.41) v1(137.2,13.11) v1(137.6,89.81) v1(137.9,118.01) v1(138.1,33.81) v1(138.41,155.97) v1(138.67,128.8) v1(138.9,46.01) v1(138.9,21.35) v1(139.4,58.01) v1(139.4,10.81) v1(140.19,17.04) v1(140.45,129.05) v1(141,37.01) v1(141.2,45.71) v1(141.97,145.05) v1(142.4,6.71) v1(142.99,75.2) v1(142.99,66.57) v1(143.24,20.59) v1(145.1,94.81) v1(146.3,59.51) v1(147.9,102.61) v1(148.1,127.21) v1(148.9,119.21) v1(148.9,94.91) v1(149.2,110.31) v1(152.38,134.38) v1(152.4,126.71) v1(152.4,109.21) v1(152.4,79.21) v1(152.4,61.71) v1(152.4,44.21) v1(152.4,26.71) v1(152.64,147.34) v1(152.58,95.88) v2(57.23,73.23) v2(58,72.11) v2(58.5,64.13) v2(61.9,28.11) v2(62,29.31) v2(63.92,63.75) v2(67.8,17.61) v2(69.8,17.61) v2(70.73,21.66) v2(75.28,6.28) v2(83.1,4.03) v2(84.3,71.04) v2(84.3,67.31) v2(94.88,4.23) v2(124.4,44.71) v3(115.05,76.22)
